# KiCad board WeatherStation.kicad_pcb (continued)
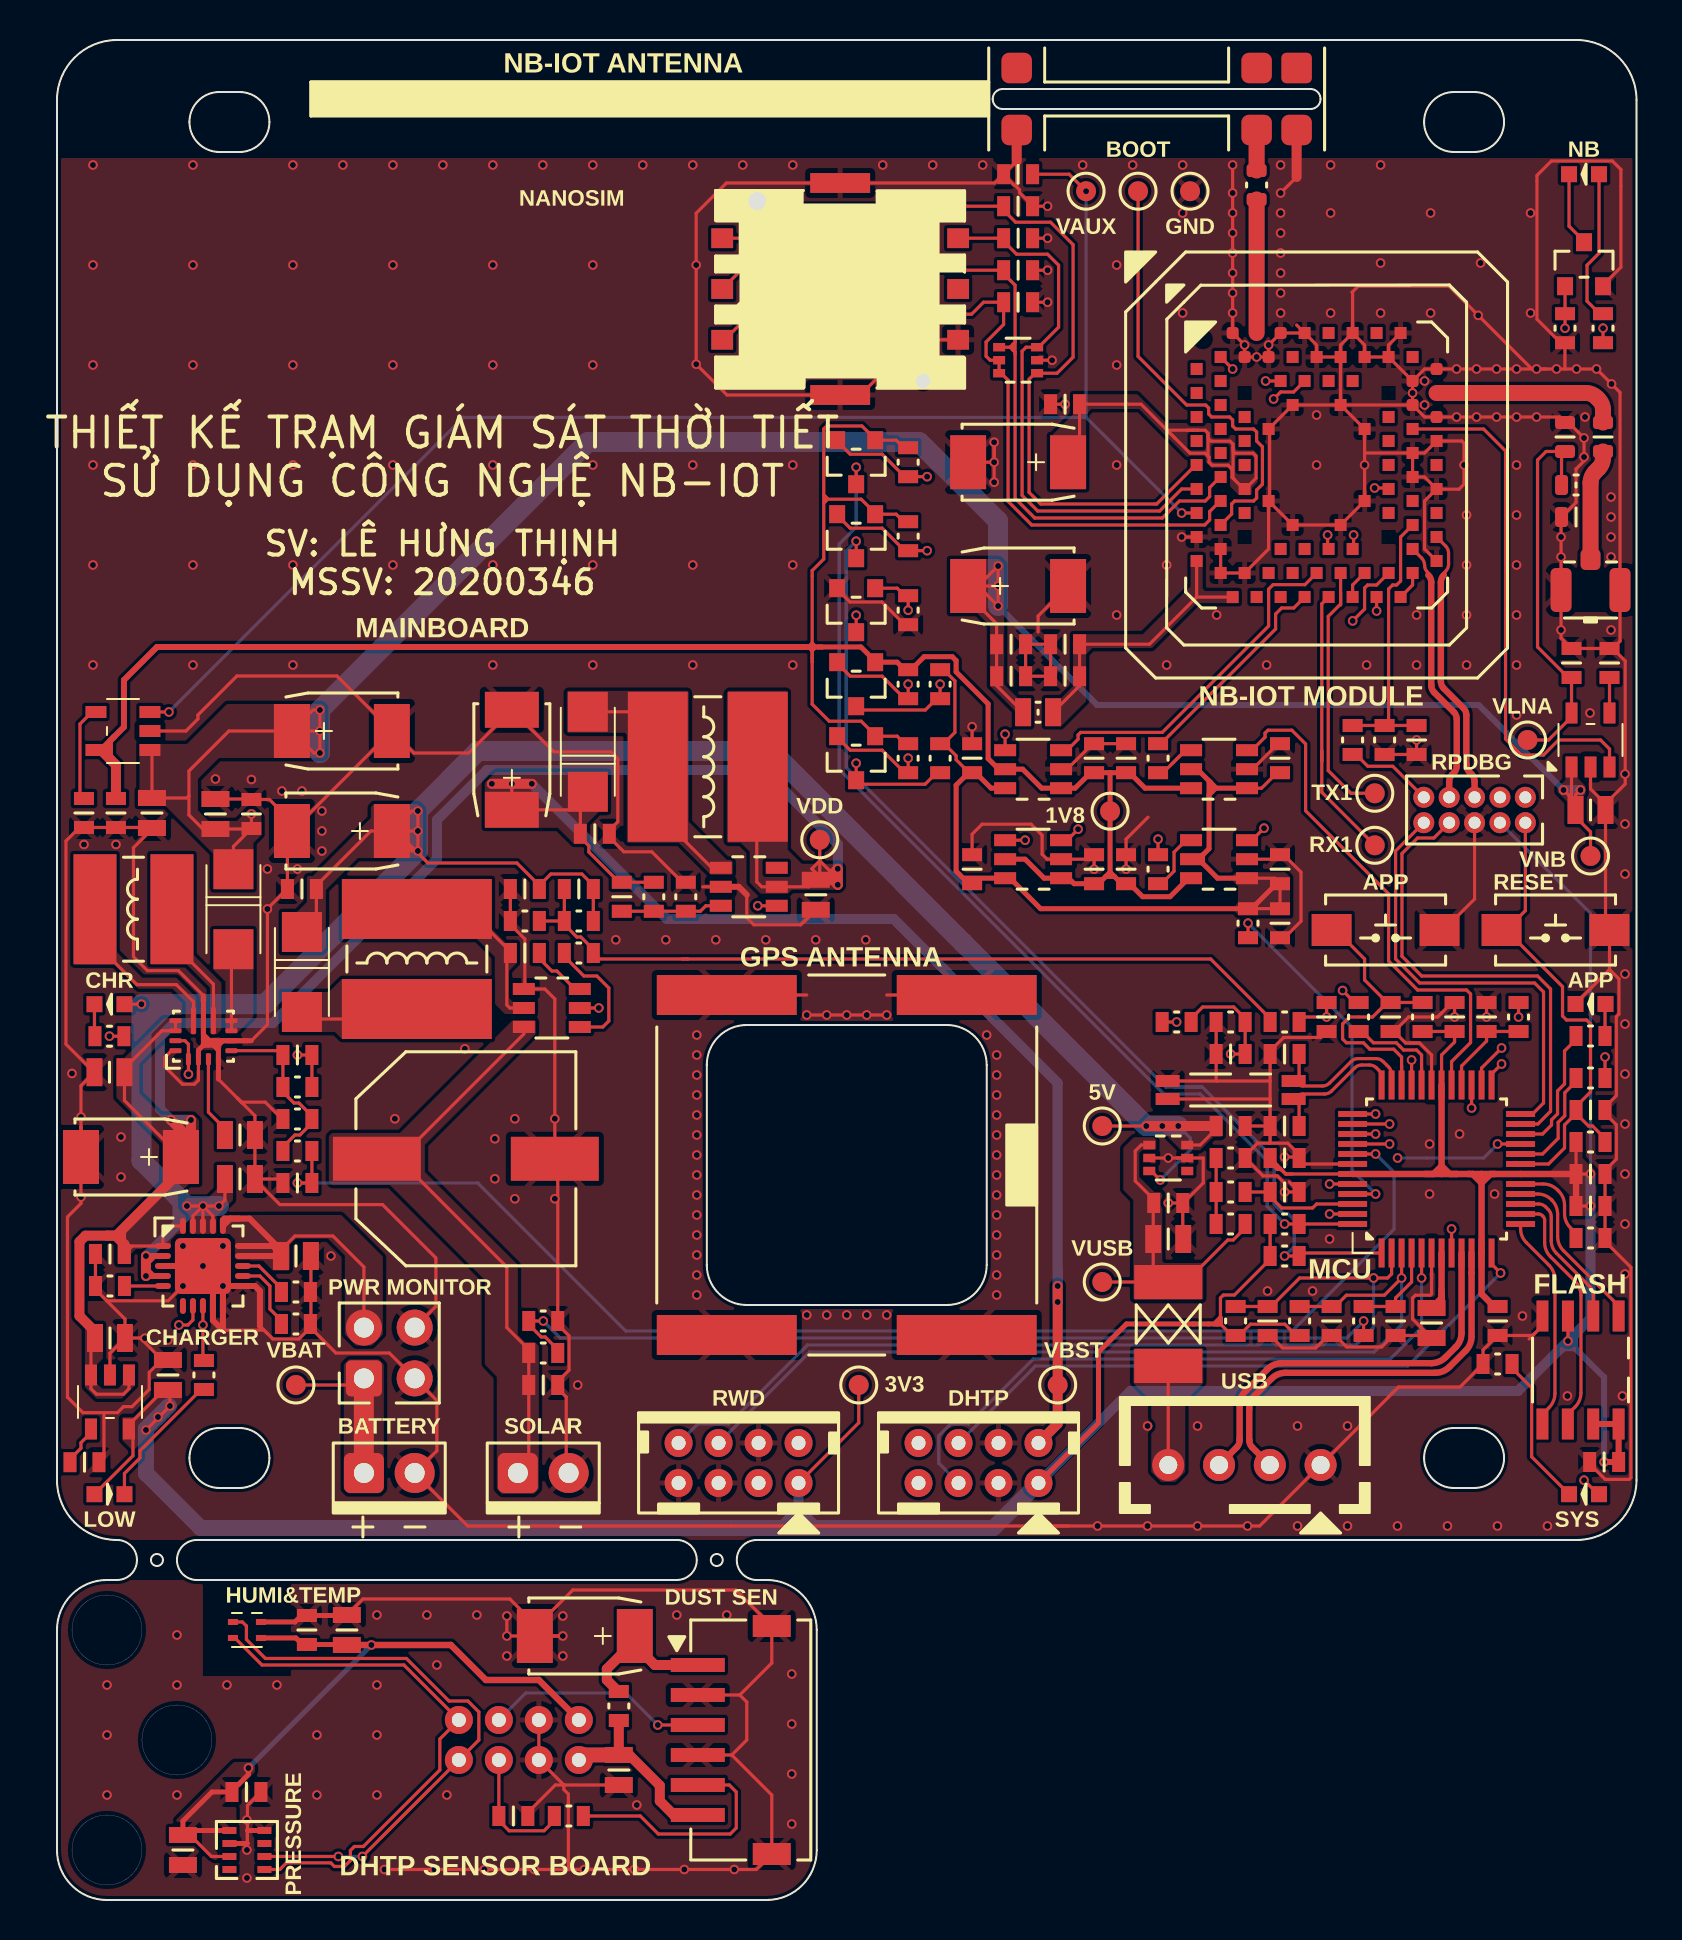
[diagram p0: board, top side]
## Library data of the parts (continued)
U7 = -: Description: IC MCU 32BIT 256KB FLASH 48TQFP; MNP: PIC32MM0256GPM048-I/PT; Price: 0; Stock Link: https://www.digikey.com/en/products/detail/microchip-technology/PIC32MM0256GPM048-I-PT/7354721; MFT: Microchip
U8 U9 U15 U16 = -: Description: IC TRANSLATOR BIDIR SOT23-6; Price: 0.219; Stock Link: https://www.thegioiic.com/sn74lvc1t45dbvr-ic-voltage-level-shifter-bus-transceiver-6-sot-23; MFT: TI; MNP: SN74LVC1T45DBVR
U11 = -: Description: CONN HEADER SMD R/A 6POS 1.5MM; Price: 0.035; Stock Link: https://www.thegioiic.com/dau-zh-1-5mm-6-chan-dan-smd-nam-ngang; MFT: JST; MNP: S6B-ZR-SM4A-TF
U12 = -: Description: INDUSTRIAL SENSOR HUMID/TEMP; Price: 2.1; Stock Link: https://www.digikey.com/en/products/detail/sensirion-ag/SHT40I-AD1B-R3/15792545; MFT: Sensirion; MNP: SHT40I-AD1B-R3
U13 = -: Description: IC BOOST REG MULTI CONFIG ADJ SOT-23-6; Price: 0.132; Stock Link: https://www.thegioiic.com/mt3608-ic-dieu-chinh-tang-ap-2a-sot-23-6; MFT: AEROSEMI; MNP: MT3608L
U14 = -: Description: SENSOR 17.4PSIG 24BIT 8VLGA; MFT: Infineon; MNP: DPS368XTSA1; Price: 3.18; Stock Link: https://www.digikey.com/en/products/detail/infineon-technologies/DPS368XTSA1/10244079?s=N4IgTCBcDaICIAUDKBmAbADhAXQL5A
U17 = -: Description: IC REG LINEAR 1.8V 300MA SOT-753; MFT: Toshiba; MNP: TCR3UF18A,LM(CT; Price: 0.4; Stock Link: https://www.digikey.com/en/products/detail/toshiba-semiconductor-and-storage/tcr3uf18a-lm-ct/13279610
X1 = -: Description: CRYSTAL 32.7680KHZ 9PF SMD; MFT: EPSON; MNP: MC-146 32.7680KA-AC0: ROHS; Price: 0.154; Stock Link: https://www.thegioiic.com/thach-anh-32-768khz-mc-146-crystal-7015-4-chan

## Footprints (pads in the part's own frame, mm; a bottom-side part is the same pattern mirrored in y, then rotated)
1575R-A
  rect 2x7 smd: 1(-8.5,-6) 2(8.5,-6) 3(8.5,6) 4(-8.5,6)
AH3G.303
  rrect 1.524x1.524 smd: 1(-7,3.1) 2(-5,3.1) 3(7,3.1) 4(-7,0) 5(-5,0) 6(7,0)
CAP0603
  rect 0.65x1 smd: 1(-0.725,0) 2(0.725,0)
CAP0603#2
  rrect 0.65x1 smd: 1(-0.725,0) 2(0.725,0)
CAP0805
  rect 0.8x1.4 smd: 1(-0.75,0) 2(0.75,0)
CAP2312-6032
  rect 1.8x2.7 smd: +(-2.5,0) -(2.5,0)
CAP_ELEC-10.3x10.3-DIA10
  rect 4.4x2.2 smd: +(-4.45,0) -(4.45,0)
DIL04_2.54_MTH
  rrect 1.8x1.8 hole 1: 1(-1.27,1.27)
  round 1.8 hole 1: 2(1.27,1.27) 3(-1.27,-1.27) 4(1.27,-1.27)
DIL10_1.27_MTH
  round 1.05 hole 0.6: 1(-2.54,-0.635) 2(-2.54,0.635) 3(-1.27,-0.635) 4(-1.27,0.635) 5(0,-0.635) 6(0,0.635) 7(1.27,-0.635) 8(1.27,0.635) 9(2.54,-0.635) 10(2.54,0.635)
DO-214AC
  rect 2x2 smd: A(-2,0) K(2,0)
DPS368
  rect 0.7x0.35 smd: 1(0.875,0.975) 2(0.875,0.325) 3(0.875,-0.325) 4(0.875,-0.975) 5(-0.875,-0.975) 6(-0.875,-0.325) 7(-0.875,0.325) 8(-0.875,0.975)
FUSE1812
  rect 1.7x3.4 smd: 1(-2.1,0) 2(2.1,0)
HDM-2x4x2.0-TH-RA
  round 1.4 hole 0.7: 1(3,1) 2(3,-1) 3(1,1) 4(1,-1) 5(-1,1) 6(-1,-1) 7(-3,1) 8(-3,-1)
HDM-2x4x2.0-TH-RA#2
  round 1.4 hole 0.7: 1(-3,1) 2(-3,-1) 3(-1,1) 4(-1,-1) 5(1,1) 6(1,-1) 7(3,1) 8(3,-1)
HDM-4x2.54-TH
  round 1.6 hole 0.9: 1(-3.81,0) 2(-1.27,0) 3(1.27,0) 4(3.81,0)
HDM-6x1.5-SMD-RA
  rect 0.7x2.7 smd: 1(-3.75,-1.65) 2(-2.25,-1.65) 3(-0.75,-1.65) 4(0.75,-1.65) 5(2.25,-1.65) 6(3.75,-1.65)
  rect 1.1x1.9 smd: 7(5.7,2.05) 8(-5.7,2.05)
IND0603
  rrect 0.65x1 smd: 1(-0.725,0) 2(0.725,0)
IND0805
  rect 0.8x1.4 smd: 1(-0.75,0) 2(0.75,0)
IND5852
  rect 5.5x2.15 smd: 1(0,-1.925) 2(0,1.925)
IND7870
  rect 7.5x3 smd: 1(0,2.5) 2(0,-2.5)
LED0603
  rect 0.8x0.8 smd: A(0.75,0) K(-0.75,0)
PAD02_2.54TH
  rrect 2x2 hole 1: 1(-1.27,0)
  round 2 hole 1: 2(1.27,0)
PowerVQFN15_TI
  rrect 0.6x0.25 smd: 1(-1.15,0.75) 2(-1.15,0.25) 3(-1.15,-0.25) 4(-1.15,-0.75)
  rrect 0.25x0.6 smd: 5(-0.725,-1.4) 6(-0.225,-1.4) 7(0.275,-1.4) 8(0.775,-1.4) 12(0.775,1.4) 13(0.275,1.4) 14(-0.225,1.4) 15(-0.725,1.4)
  rrect 1.35x0.25 smd: 9(0.775,-0.5) 11(0.775,0.5)
  rrect 1.7x0.25 smd: 10(0.6,0)
RES0603
  rect 0.65x1 smd: 1(-0.725,0) 2(0.725,0)
RES0603#2
  rrect 0.65x1 smd: 1(-0.725,0) 2(0.725,0)
SHT4x
  rect 0.5x0.3 smd: 1(-0.7,0.4) 2(-0.7,-0.4) 3(0.7,-0.4) 4(0.7,0.4)
SIM8051-6-0-14-01-A_GCT
  round 0.889 hole 0.889 unplated: (-4.4,-4.15)
  round 0.711 hole 0.711 unplated: (4.6,4.15)
  rect 0.991x1.092 smd: C1(2.54,-5.9) C2(0,-5.9) C3(-2.54,-5.9) C5(2.54,5.9) C6(0,5.9) C7(-2.54,5.9)
  rect 0.991x2.997 smd: S1(-5.3,0) S2(5.3,0)
SMD4-7015
  rect 1.2x0.6 smd: 1(-3.15,-0.45) 2(3.15,-0.45) 3(3.15,0.45) 4(-3.15,0.45)
SOIC8_3.9_MCHP
  rect 0.6x1.55 smd: 1(-1.905,-2.7) 2(-0.635,-2.7) 3(0.629,-2.696) 4(1.905,-2.7) 5(1.905,2.7) 6(0.635,2.7) 7(-0.635,2.7) 8(-1.905,2.7)
SOT23
  rect 0.8x0.9 smd: 1(-0.95,-1.1) 2(0.951,-1.102) 3(0,1.1)
SOT25_DIODES
  rect 0.6x1.05 smd: 1(-0.95,-1.35) 2(0,-1.35) 3(0.95,-1.35) 4(0.95,1.35) 5(-0.95,1.35)
SOT363
  rect 0.42x0.6 smd: 1(-0.65,-0.95) 2(0,-0.95) 3(0.65,-0.95) 4(0.65,0.95) 5(0,0.95) 6(-0.65,0.95)
SOT-23-6_MCHP
  rect 0.6x1.1 smd: 1(-0.95,-1.4) 2(0,-1.4) 3(0.95,-1.4) 4(0.95,1.4) 5(0,1.4) 6(-0.95,1.4)
SW_SMD2_6.0x3.5
  rect 2x1.6 smd: 1(-2.7,0) 2(2.7,0)
TP1MM
  round 1 smd: 1(0,0)
TQFP48-7x7_MCHP
  rect 1.45x0.3 smd: 1(-4.2,2.75) 2(-4.2,2.25) 3(-4.2,1.75) 4(-4.2,1.25) 5(-4.2,0.75) 6(-4.2,0.25) 7(-4.2,-0.25) 8(-4.2,-0.75) 9(-4.2,-1.25) 10(-4.2,-1.75) 11(-4.2,-2.25) 12(-4.2,-2.75) 25(4.2,-2.75) 26(4.2,-2.25) 27(4.2,-1.75) 28(4.2,-1.25) 29(4.2,-0.75) 30(4.2,-0.25) 31(4.2,0.25) 32(4.2,0.75) 33(4.2,1.25) 34(4.2,1.75) 35(4.2,2.25) 36(4.2,2.75)
  rect 0.3x1.45 smd: 13(-2.75,-4.2) 14(-2.25,-4.2) 15(-1.75,-4.2) 16(-1.25,-4.2) 17(-0.75,-4.2) 18(-0.25,-4.2) 19(0.25,-4.2) 20(0.75,-4.2) 21(1.25,-4.2) 22(1.75,-4.2) 23(2.25,-4.2) 24(2.75,-4.2) 37(2.75,4.2) 38(2.25,4.2) 39(1.75,4.2) 40(1.25,4.2) 41(0.75,4.2) 42(0.25,4.2) 43(-0.25,4.2) 44(-0.75,4.2) 45(-1.25,4.2) 46(-1.75,4.2) 47(-2.25,4.2) 48(-2.75,4.2)
U.FL
  rrect 1x1.05 smd: 1(0,-1.525)
  rrect 1.05x2.2 smd: 2(-1.475,0) 3(1.475,0)
VQFN20-4x4_MCHP
  rrect 0.8x0.3 smd: 1(-2,1) 2(-2,0.5) 3(-2,0) 4(-2,-0.5) 5(-2,-1) 11(2,-1) 12(2,-0.5) 13(2,0) 14(2,0.5) 15(2,1)
  rrect 0.3x0.8 smd: 6(-1,-2) 7(-0.5,-2) 8(0,-2) 9(0.5,-2) 10(1,-2) 16(1,2) 17(0.5,2) 18(0,2) 19(-0.5,2) 20(-1,2)
  rrect 2.8x2.8 smd: 21(0,0)
xE310
  rrect 0.6x0.6 smd: A3(-4.2,6.6) A5(-3,6.6) A7(-1.8,6.6) B4(-3.6,5.4) B6(-2.4,5.4) C19(6,4.8) D18(4.8,4.2) E19(6,3.6) F18(4.8,3) G19(6,2.4)
  rect 0.6x0.6 smd: A9(-0.6,6.6) A11(0.6,6.6) A13(1.8,6.6) A15(3,6.6) A17(4.2,6.6) AA3(-4.199,-6.604) AA5(-3,-6.6) AA7(-1.8,-6.6) AA9(-0.6,-6.6) AA11(0.6,-6.6) AA13(1.8,-6.6) AA15(3,-6.6) AA17(4.2,-6.6) B2(-4.8,5.4) B8(-1.2,5.4) B10(0,5.4) B12(1.2,5.4) B14(2.4,5.4) B16(3.6,5.4) B18(4.8,5.4) C1(-6,4.8) D2(-4.8,4.2) D7(-1.8,4.2) D9(-0.6,4.2) D11(0.6,4.2) D13(1.8,4.2) E1(-6,3.6) F2(-4.8,3) F8(-1.2,3) F12(1.2,3) G1(-6,2.4) G4(-3.6,2.4) G16(3.6,2.4) H2(-4.8,1.8) H6(-2.4,1.8) H14(2.4,1.8) H18(4.8,1.8) J1(-6,1.2) J4(-3.6,1.2) J16(3.6,1.2) J19(6,1.2) K2(-4.8,0.6) K18(4.8,0.6) L1(-6,0) L4(-3.6,0) L16(3.6,0) L19(6,0) M2(-4.8,-0.6) M18(4.8,-0.6) N1(-6,-1.2) N4(-3.6,-1.2) N16(3.6,-1.2) N19(6,-1.2) P2(-4.8,-1.8) P6(-2.4,-1.8) P14(2.4,-1.8) P18(4.8,-1.8) R1(-6,-2.4) R4(-3.6,-2.4) R16(3.6,-2.4) R19(6,-2.4) T2(-4.8,-3) T8(-1.2,-3) T12(1.2,-3) T18(4.8,-3) U1(-6,-3.6) U19(6,-3.6) V2(-4.8,-4.2) V7(-1.8,-4.2) V9(-0.6,-4.2) V11(0.6,-4.2) V13(1.8,-4.2) V18(4.8,-4.2) W1(-6,-4.8) W19(6,-4.8) Y2(-4.8,-5.4) Y4(-3.6,-5.4) Y6(-2.4,-5.4) Y8(-1.2,-5.4) Y10(0,-5.4) Y12(1.2,-5.4) Y14(2.4,-5.4) Y16(3.6,-5.4) Y18(4.8,-5.4)

## Nets
+1V8: C46.1 C47.1 C76.1 C77.1 C83.2 Q3.1 Q4.1 Q5.1 Q6.1 R43.2 R44.2 R47.2 R48.2 TP8.1 U8.6 U9.1 U9.5 U15.1 U15.5 U16.6 U17.5
+3.3V: C24.1 C27.1 C31.2 C33.1 C34.1 C36.1 C37.1 D3.A J4.4 J7.1 J8.7 R22.1 R23.2 R24.2 R25.1 R37.1 R38.1 TP4.1 U5.5 U6.3 U6.7 U6.8 U7.11 U7.18 U7.30 U7.43
+5V: C11.1 C12.1 C14.1 C17.1 C20.+ C58.1 D2.K D4.A R11.1 TP3.1 U3.3 U3.6 U4.2 U4.4 U4.17 U4.18 U4.19
/MCU/V5V_SEN: C15.1 R13.1 U7.33
/MCU/VBAT_SEN: C23.1 R19.2 R20.1 U7.27
/MCU/VBUS_SEN: C9.1 R6.1 U7.46
GND: ANT1.1 ANT1.3 ANT2.2 ANT2.3 BAT1.2 BT1.2 BT2.2 C1.2 C2.2 C3.2 C4.2 C5.- C6.2 C7.2 C9.2 C12.2 C13.2 C14.2 C15.2 C16.2 C17.2 C18.2 C19.- C20.- C21.2 C22.2 C23.2 C24.2 C25.2 C26.- C27.2 C28.2 C29.2 C30.2 C31.1 C32.2 C33.2 C34.2 C35.2 C36.2 C37.2 C38.2 C39.1 C40.2 C41.2 C42.2 C43.2 C44.1 C45.2 C46.2 C47.2 C48.2 C49.- C50.1 C51.2 C52.2 C54.2 C55.1 C56.2 C57.- C58.2 C59.2 C60.1 C61.2 C62.1 C64.2 C70.2 C71.2 C72.- C73.2 C76.2 C77.2 C78.2 C79.2 C80.1 C81.2 C82.2 C83.1 C84.2 D5.K D6.2 J1.1 J2.2 J3.3 J3.4 J4.6 J5.C5 J5.S1 J5.S2 J7.3 J7.4 J8.1 J8.3 J8.6 MD1.A3 MD1.A7 MD1.A9 MD1.A13 MD1.A17 MD1.B4 MD1.B6 MD1.B10 MD1.B12 MD1.B14 MD1.B16 MD1.C19 MD1.D18 MD1.F8 MD1.F12 MD1.F18 MD1.G19 MD1.H6 MD1.H14 MD1.J19 MD1.K18 MD1.M18 MD1.N19 MD1.P6 MD1.P14 MD1.T8 MD1.T12 MD1.U1 MD1.V2 MD1.W19 MD1.Y2 MD1.Y4 MD2.1 MD2.2 MD2.3 MD2.4 Q1.2 Q2.2 R3.2 R4.2 R9.2 R12.2 R16.2 R17.2 R18.2 R20.2 R21.1 R30.2 R35.2 R41.1 R42.1 R50.2 TP6.1 U1.1 U2.2 U2.4 U2.6 U2.10 U2.15 U3.2 U3.5 U4.3 U4.9 U4.10 U4.11 U4.21 U5.2 U6.4 U7.6 U7.31 U7.42 U8.2 U9.2 U10.2 U13.2 U15.2 U16.2 U17.2 X1.2 X1.3
GND1: C63.2 C65.- C66.2 C67.2 C69.2 C74.2 C75.2 J6.3 J6.4 U11.2 U11.4 U11.7 U11.8 U12.4 U14.1 U14.7
VBAT: BAT1.1 J3.1 TP5.1
VDD: C2.1 C22.1 C25.1 C26.+ C64.1 L4.1 TP7.1 U2.12 U2.13 U4.1 U4.20 U5.1 U5.3 U13.5
VDD1: C63.1 J6.2 R33.1 U11.6
/MCU/DBG_RXD: J4.3 U7.25
/MCU/DBG_TXD: J4.1 U7.26
/MCU/DUST_EN: U7.40 U13.4
/MCU/DUST_SEN: J7.6 U7.12
/MCU/LED_APP: R26.1 U7.22
/MCU/LED_SYS: D9.A U7.8
/MCU/NB_ARXD: U7.29 U16.3
/MCU/NB_ATXD: R40.2 U7.32
/MCU/NB_DTR: Q4.3 R46.1 U7.39
/MCU/NB_ONOFF: Q2.1 R42.2 U7.37
/MCU/NB_RING: Q3.3 R45.1 U7.38
/MCU/NB_RXD: U7.44 U8.3
/MCU/NB_TXD: R28.2 U7.20
/MCU/NB_USB_N: J4.7 MD1.V18
/MCU/NB_USB_P: J4.5 MD1.U19
/MCU/NB_VAUX_SEN: C84.1 R49.1 U7.28
/MCU/NB_VBUS: J4.9 R29.1
/MCU/PGC: J4.10 U7.24
/MCU/PGD: J4.8 U7.23
/MCU/SCL: J7.7 J8.8 Q5.3 R23.1 U7.48
/MCU/SCLK: U6.6 U7.14
/MCU/SDA: J7.8 J8.5 Q6.3 R24.1 U7.1
/MCU/SDI: U6.2 U7.15
/MCU/SDO: U6.5 U7.13
/MCU/SOSCI: C28.1 U7.35 X1.1
/MCU/SOSCO: C29.1 U7.36 X1.4
/MCU/USB_N: J1.3 U7.9
/MCU/USB_P: J1.2 U7.10
/MCU/VIO_EN: R27.1 U7.45
/MCU/VNB_EN: U2.1 U2.14 U7.21
/MCU/VNB_SEN: C13.1 R10.1 U7.41
/MCU/VSOLAR_SEN: C4.1 R1.1 U7.4
/MCU/~{BT_APP}: BT2.1 C35.1 R25.2 U7.34
/MCU/~{DUST_IREN}: J7.5 U7.5
/MCU/~{FLASH_CS}: U6.1 U7.16
/MCU/~{MCLR}: BT1.1 C32.1 J4.2 R22.2 U7.19
/MCU/~{RNF_PULSE}: C73.1 J8.2 R38.2 U7.2
/MCU/~{VBAT_LOW}: R14.2 U4.8 U7.47
/MCU/~{WSP_PULSE}: C71.1 J8.4 R37.2 U7.3
/NB MODULE/ARXD: MD1.AA9 R39.1
/NB MODULE/ATXD: MD1.Y10 U15.3
/NB MODULE/DTR: MD1.V11 Q4.2 R44.1
/NB MODULE/GPS_LNA_ENA: MD1.H18 U10.3
/NB MODULE/PWRMON: C51.1 MD1.R1 R49.2 TP14.1 U17.3
/NB MODULE/RING: MD1.V13 Q3.2 R43.1
/NB MODULE/RXD0: MD1.AA15 U9.3
/NB MODULE/SCL_1V8: MD1.D7 Q5.2 R48.1
/NB MODULE/SDA_1V8: MD1.D9 Q6.2 R47.1
/NB MODULE/SIM_CLK: C40.1 D6.1 J5.C3 MD1.L1
/NB MODULE/SIM_DAT: C38.1 D6.3 J5.C7 MD1.N1
/NB MODULE/SIM_RST: C43.1 D6.4 J5.C2 MD1.M2
/NB MODULE/SIM_VCC: C44.2 D6.5 D6.6 J5.C1 MD1.P2
/NB MODULE/TXD0: MD1.Y16 R31.1
/SENSORS/SCL1: J6.7 U12.2 U14.4
/SENSORS/SDA1: J6.8 U12.1 U14.3
/SENSORS/VOUT: C69.1 J6.6 R36.1
/SENSORS/~{LED_EN}: J6.5 U11.3
VIO: C39.2 C41.1 C42.1 C78.1 C79.1 R27.2 R45.2 R46.2 U8.1 U8.5 U9.6 U15.6 U16.1 U16.5
VLNA: C59.1 C60.2 L3.2 TP9.1 U10.5
VNB: C10.1 C16.1 C18.1 C19.+ C54.1 C55.2 C57.+ C62.2 C80.2 D1.K FT1.2 R8.1 R32.1 TP2.1 U10.1 U17.1
VSEN1: C66.1 C67.1 C74.1 C75.1 J6.1 U12.3 U14.6 U14.8
Net-(U7-AVSS/VSS): R21.2 U7.17
Net-(ANT1-SIG): ANT1.2 Z1.2
Net-(ANT2-SIG): ANT2.1 C53.2 C56.1 L3.1
Net-(C11-Pad2): C11.2 R7.1 R11.2 R12.1 R13.2
Net-(C21-Pad1): C21.1 J3.2 R19.1 U4.14 U4.15 U4.16
Net-(C68-Pad1): C68.1 C70.1 C72.+ D8.K J7.2 R34.1 TP10.1
Net-(D1-PadA): D1.A U2.7 U2.8
Net-(D2-PadA): D2.A L2.2
Net-(D3-PadK): D3.K R14.1
Net-(D4-PadK): D4.K R15.2
Net-(D5-PadA): D5.A R26.2
Net-(D7-PadA): D7.A R32.2
Net-(D9-PadK): D9.K R50.1
Net-(F1-Pad1): F1.1 J1.4
Net-(MD1-CELL_ANT): MD1.A5 Z1.1
Net-(MD1-CTANK): C48.1 C49.+ MD1.N4
Net-(MD1-CTS0): MD1.AA17 MD1.Y18
Net-(MD1-CTS1): MD1.AA13 MD1.Y14
Net-(MD1-FORCE_USB_BOOT): MD1.T2 TP13.1
Net-(MD1-GNSS_ANT): C53.1 MD1.E19
Net-(MD1-RXD1): MD1.AA11 TP12.1
Net-(MD1-SLED): MD1.B2 Q1.1 R41.2
Net-(MD1-TXD1): MD1.Y12 TP11.1
Net-(MD1-USB_VBUS): C45.1 MD1.T18 R29.2 R30.1
Net-(MD1-VBATT): C50.2 C52.1 FT1.1 MD1.AA3 MD1.W1
Net-(MD1-~{ONOFF}/~{WAKE}): MD1.N16 Q2.3
Net-(Q1-D): D7.K Q1.3
Net-(R4-Pad1): R4.1 R5.1 R6.2
Net-(U1-BS): C8.2 U1.6
Net-(U1-EN): R1.2 R2.1 R3.1 U1.5
Net-(U1-FB): R7.2 U1.4
Net-(U1-IN): C1.1 C5.+ J2.1 R2.2 U1.3
Net-(U1-SW): C8.1 L2.1 U1.2
Net-(U2-FB): C10.2 R8.2 R9.1 R10.2 U2.5
Net-(U2-L1): L1.2 U2.11
Net-(U2-L2): L1.1 U2.9
Net-(U2-VAUX): C3.1 U2.3
Net-(U3-VIN): C6.1 C7.1 F1.2 R5.2 TP1.1 U3.1
Net-(U4-PROG1): R16.1 U4.13
Net-(U4-PROG3): R17.1 U4.12
Net-(U4-STAT2): R15.1 U4.7
Net-(U4-THERM): R18.1 U4.5
Net-(U5-NC/BP): C81.1 U5.4
Net-(U7-VCAP): C30.1 U7.7
Net-(U8-B): R31.2 U8.4
Net-(U9-B): R28.1 U9.4
Net-(U10-NC/BP): C61.1 U10.4
Net-(U11-VLED): C65.+ R33.2 U11.1
Net-(U11-VOUT): R36.2 U11.5
Net-(U13-FB): C68.2 R34.2 R35.1 U13.3
Net-(U13-SW): D8.A L4.2 U13.1
Net-(U15-B): R40.1 U15.4
Net-(U16-B): R39.2 U16.4
Net-(U17-NC/BP): C82.1 U17.4

Pads without a net: ANT1 4 5 6; J5 C6; MD1 A11 A15 AA5 AA7 B8 B18 C1 D2 D11 D13 E1 F2 G1 G4 G16 H2 J1 J4 J16 K2 L4 L16 L19 P18 R4 R16 R19 V7 V9 Y6 Y8; U3 4; U4 6; U13 6; U14 2 5

## Via types
v1: diameter 0.48, hole 0.3, Top to Bottom, 430 vias

## Routing (per net, layer and track width the routed paths; a pad name or vN(x,y) marks a point on that pad's centre or on a via; arc(x,y) is an arc through that point)
+1V8: length 117
  Top w0.16: 37.77,61.89 37.77,62.85 ; 37.77,61.89 37.77,62.45 ; 37.77,61.89 37.77,59.79 38.62,58.94 40.22,58.94 40.92,58.24 Q4.1 42.02,58.19 42.39,57.82 R44.2 ; 37.93,62.67 37.93,62.69 37.77,62.85 ; 38.35,70.25 38.35,69.85 ; 38.35,70.25 38.35,73.55 38.5,73.7 40.26,73.7 40.92,73.04 Q5.1 41.97,72.99 42.34,72.62 R48.2 ; 38.35,70.25 38.45,70.15 ; 38.35,69.85 38.45,69.95 ; 38.35,69.85 38.35,67.05 37.77,66.47 37.77,62.85 ; 38.56,70.04 38.45,70.15 ; 38.56,70.04 40.22,70.04 40.92,69.34 Q6.1 41.97,69.29 42.34,68.92 R47.2 ; 38.56,70.04 38.54,70.04 38.45,69.95 ; 38.45,70.15 38.45,69.95 ; 37.77,62.85 37.57,62.65 37.77,62.45 ; 37.77,62.45 37.97,62.65 38.05,62.65
  Top w0.25: 52.67,56.37 C76.1 51.69,56.37 50.92,55.59 U15.1 49.25,55.59 48.3,56.54 U15.5 47.1,56.54 46.57,57.07 46.57,59.81 44.97,61.41 44.97,61.97 44.78,62.17 43.37,62.17 42.72,61.52 R43.2 42.39,61.52 42.02,61.89 Q3.1 ; 52.67,56.37 C77.1 53.64,56.37 54.42,55.59 U16.6 ; 52.67,56.37 TP8.1 52.67,51.39 ; 52.88,51.18 52.67,51.39 ; 52.88,51.18 52.46,51.18 ; 52.88,51.18 53.24,50.82 C46.1 53.64,50.82 54.29,50.17 55.67,50.17 56.59,51.09 U8.6 ; 52.67,51.39 52.46,51.18 ; 52.46,51.18 52.09,50.82 C47.1 50.87,50.82 50.59,51.09 U9.1 49.37,51.09 48.42,52.04 U9.5 ; 40.92,61.94 40.21,62.65 38.25,62.65 ; 38.25,62.65 38.05,62.65 ; 38.25,62.65 37.62,62.65
  Top w0.3: 37.35,62.65 5,62.65 3.35,61 3.35,58.65 2.85,58.15 ; 37.35,62.65 37.62,62.65 ; 37.35,62.65 37.57,62.65 ; 2.35,57.65 2.6,57.65 2.65,57.7 ; 2.35,57.65 2.2,57.5 U17.5 ; 2.35,57.65 2.85,58.15 ; 2.85,58.15 2.65,57.95 2.65,57.7 ; 2.65,57.7 2.65,57.05
  Top w0.5: U17.5 2.2,57.5 2.95,56.75 C83.2
+3.3V: length 223.2
  Top w0.16: C34.1 60.67,37.07 61.24,36.51 ; C34.1 60.67,36.88 61.03,36.53 ; C34.1 61.03,36.75 61.03,36.53 ; C34.1 61.47,36.3 61.78,36.3 ; 61.24,36.51 61.44,36.3 61.78,36.3 ; 61.24,36.51 61.21,36.53 61.03,36.53 ; U6.3 v1(75.57,27.95) ; R24.2 R23.2 ; R24.2 60.44,32.2 ; R24.2 60.67,32.04 58.89,30.25 58.34,30.25 58.19,30.1 58.19,29.1 ; v1(4.45,23.5) 5.4,24.45 ; 5.4,24.45 5.1,24.15 v1(5.05,24.15) ; 5.4,24.45 v1(5.65,24.7) 5.65,25.4 C24.1 5.33,25.5 3.6,23.77 U5.5 3.8,23.35 3.8,22.22 D3.A ; 57.89,28.8 57.59,28.8 ; 56.8,28.8 56.59,28.8 ; 58.19,28.8 58.76,28.23 R38.1 59.12,28.23 59.69,28.79 61.41,28.79 61.97,28.23 R37.1 ; R22.1 C33.1 v1(76.7,36.3) ; 61.78,36.3 U7.43 ; R25.1 C36.1 69.9,42.9 69.25,42.25 U7.30 ; TP4.1 40.1,23.86 J8.7 ; v1(76.7,34.7) C31.2 ; 58.19,28.95 58.19,29
  Top w0.25: 57.89,28.8 58.19,29.1 58.19,28.8 58.04,28.8 ; J7.1 52.09,23.85 52.09,27.4 53.49,28.8 56.89,28.8 ; 58.04,28.8 56.8,28.8 ; 58.04,28.8 58.19,28.95
  Top w0.3: v1(77.38,21.9) C27.1 U6.8 U6.7
  Top w0.32: U7.30 69.25,36.7 ; 69.25,36.7 69.25,36.3 ; 69.25,36.7 68.85,36.3 68.45,36.3 ; 69.25,36.7 69.65,36.3 70,36.3 ; C37.1 71.87,29.68 71.25,30.3 U7.11 71.25,35.85 ; 71.25,36.3 71.9,36.3 ; 71.25,36.3 70.6,36.3 ; 71.25,36.3 71.25,35.85 ; 71.9,36.3 71.7,36.3 71.25,35.85 ; 71.9,36.3 U7.18 C33.1 C31.2 ; 71.25,35.85 70.8,36.3 70.6,36.3 ; 69.25,36.3 68.45,36.3 ; 69.25,36.3 70,36.3 ; 70.6,36.3 70,36.3 ; 68.45,36.3 U7.43
  In1.Cu w0.5: v1(76.7,36.3) v1(76.7,34.7)
  In1.Cu w0.8: v1(5.65,24.7) v1(4.45,23.5)
  In2.Cu w0.16: v1(5.65,24.7) 5.6,24.7 ; 4.45,23.55 v1(4.45,23.5) ; 5.42,24.53 v1(5.05,24.15)
  In2.Cu w0.5: v1(76.7,36.3) v1(76.7,34.7)
  In2.Cu w0.8: 4.45,23.55 5.6,24.7
  Bottom w0.16: 5.6,24.7 v1(5.65,24.7) ; v1(76.7,36.3) 76.7,49.34 J4.4 ; 4.45,23.55 v1(4.45,23.5) ; 37.09,18.66 37.03,18.6
  Bottom w0.3: 76.03,27.49 v1(75.57,27.95) ; 76.03,27.49 77.38,26.14 v1(77.38,21.9) ; 76.03,27.49 75.93,27.59 ; 75.93,27.59 75.93,28.31 ; 75.93,27.59 75.21,27.59 75.18,27.56
  Bottom w0.5: v1(76.7,36.3) v1(76.7,34.7) 76.7,29.08 73.08,25.45 53.69,25.45 J7.1 ; 34.84,18.6 34.49,18.6 ; 36.04,18.6 36.14,18.6 37.09,19.55 ; 37.09,19.55 J8.7 ; 37.09,19.55 37.09,18.66 ; 37.09,19.55 37.89,18.75 37.89,18.6 ; 39.34,18.6 39.9,18.6
  Bottom w0.8: J7.1 46.84,18.6 7.18,18.6 4.45,21.33 4.45,23.55 v1(5.05,24.15) 5.6,24.7 ; 39.9,18.6 37.89,18.6
+5V: length 151.6
  Top w0.16: 54.63,36.45 54.73,36.45 v1(55.18,36) ; R11.1 C11.1 26.82,50.73 26.25,51.3 24.7,51.3 24.12,50.73 C58.1 24.12,50.73 23,51.85 18.55,51.85 16.95,53.45 C20.+ ; C20.+ 17.75,52.45 v1(18.05,52.45) v1(18.05,54.45) 17.75,54.45 C20.+ ; C20.+ 15.7,53.45 12.97,50.73 C17.1 12.97,48.78 12.25,48.05 ; C20.+ v1(18.05,53.45) ; v1(54.48,38.7) TP3.1 ; v1(7.3,34.7) 7.8,34.2 U4.17 ; v1(7.3,34.7) U4.18 ; v1(7.3,34.7) 6.8,34.2 U4.19 ; v1(6.5,34.7) v1(8.1,34.7) 8.4,35 C14.1 ; U3.6 57.18,37.75 57.97,38.55 C12.1 ; D4.A v1(4.22,44.79)
  Top w0.3: U4.2 4.85,32.2 ; 4.85,32.2 4.45,31.8 ; 4.85,32.2 v1(4.45,32.2) ; v1(4.45,31.2) U4.4 4.8,31.2 4.45,31.55
  Top w0.5: v1(4.45,32.2) v1(4.45,31.2) ; C12.1 v1(56.08,38.7) v1(55.28,38.7) v1(54.48,38.7)
  In1.Cu w0.5: v1(8.1,34.7) v1(6.5,34.7) ; v1(4.45,31.2) v1(4.45,32.2) ; v1(18.05,54.45) v1(18.05,52.45)
  In1.Cu w1: v1(56.08,38.7) v1(54.48,38.7)
  In2.Cu w0.5: v1(18.05,54.45) v1(18.05,52.45) ; v1(8.1,34.7) v1(6.5,34.7) ; v1(4.45,31.2) v1(4.45,32.2)
  In2.Cu w1: v1(56.08,38.7) v1(54.48,38.7)
  Bottom w0.16: v1(56.08,38.7) 56.68,38.1 56.68,37.5 v1(55.18,36)
  Bottom w0.5: v1(4.45,31.2) v1(4.45,32.2) 5.95,33.7 ; 5.95,33.7 6.02,33.78 6.02,35.18 ; 5.95,33.7 6.95,34.7
  Bottom w1: 7.7,34.7 v1(7.3,34.7) 6.95,34.7 ; 7.7,34.7 v1(8.1,34.7) ; 7.7,34.7 v1(6.5,34.7) 4.22,36.98 4.22,43.5 ; 5.5,44.79 v1(4.22,44.79) 4.22,43.5 ; 5.5,44.79 4.22,43.52 4.22,43.5 ; 5.5,44.79 10.39,44.79 v1(18.05,52.45) v1(18.05,54.45) 21.05,57.45 35.73,57.45 v1(54.48,38.7) v1(56.08,38.7)
/MCU/V5V_SEN: length 8.7
  Top w0.16: U7.33 v1(67.75,42) ; C15.1 v1(63.5,44.15) 62.37,44.15 R13.1 62.12,43.79
  In2.Cu w0.16: v1(63.5,44.15) 65.6,44.15 v1(67.75,42)
/MCU/VBAT_SEN: length 20.2
  Top w0.16: U7.27 v1(70.75,39.6) ; v1(58.7,42.3) C23.1 R20.1 59.42,44.08 58.85,44.65 57.3,44.65 56.72,44.08 R19.2
  In2.Cu w0.16: v1(58.7,42.3) 60.85,40.15 70.2,40.15 v1(70.75,39.6)
/MCU/VBUS_SEN: length 5.9
  Top w0.16: R6.1 C9.1 60.67,35.18 61.25,34.6 62.8,34.6 63,34.8 U7.46
GND: length 735.3
  Top w0.16: C58.2 R12.2 22.67,48.78 23.4,48.05 23.4,45.6 U1.1 24.4,45.55 24.9,45.05 v1(24.9,39.06) 24.9,37.06 ; 60.65,37.84 61.56,37.84 62.12,37.28 C34.2 ; 60.65,37.84 60.67,37.87 C29.2 ; 60.65,37.84 60.04,37.84 59.42,37.23 R4.2 60.32,36.21 61.03,36.21 61.4,35.84 v1(61.4,35.4) C9.2 62.12,35.42 61.63,35.91 ; 73.9,28.33 73.8,28.23 C37.2 71.32,27.5 R50.2 70.17,25.65 67.1,25.65 J1.1 60.15,18.7 v1(59.54,18.7) v1(57.04,18.7) v1(54.54,18.7) v1(52.04,18.7) 49.79,18.7 ; 73.9,28.33 74.29,28.72 U6.4 ; 73.9,28.33 73.63,28.05 ; 75.42,76.55 v1(76,76.55) v1(77,76.55) 78.17,75.38 ANT2.2 78.17,62.94 77.81,62.58 ; 75.42,76.55 v1(75,76.55) 74.47,76.55 ; 75.42,76.55 75.42,77.86 R41.1 ; R41.1 75.19,77.87 74.02,79.04 74.02,86.23 74.74,86.95 77.79,86.95 78.22,86.53 78.22,81.64 77.33,80.75 Q1.2 ; R41.1 75.42,77.84 ; U16.2 59.79,56.54 61.07,57.82 C79.2 ; 58,40.95 57.97,40.98 57.97,42.8 ; 58,40.95 60.67,40.95 ; 58,40.95 X1.2 ; v1(37.5,44.25) v1(38.5,44.25) v1(39.5,44.25) v1(40.5,44.25) v1(41.5,44.25) ; 77.81,62.58 C61.2 ; 77.81,62.58 C61.2 ; 77.81,62.58 78.43,61.95 78.43,55.8 77.45,54.82 C62.1 ; MD1.A9 63,77.75 MD1.B10 MD1.B12 ; MD1.A9 62,78.75 ; MD1.A9 MD1.A7 v1(60.6,77.75) MD1.B6 v1(60,77.15) MD1.B4 v1(59.4,77.75) MD1.A3 v1(58.8,79.35) v1(58.8,80.35) v1(58.8,81.35) v1(58.8,82.35) v1(58.8,83.35) v1(58.8,84.35) v1(58.8,85.35) v1(58.8,86.75) ; v1(53.47,51.54) C46.2 53.47,53.04 54.57,54.14 ; 24.9,37.06 25.04,36.92 R3.2 ; 24.9,37.06 24.75,37.21 ; v1(49.54,84.69) C40.2 48.79,84.72 48.14,85.37 48.14,85.51 ; C34.2 62.07,37.15 v1(61.4,37.15) ; C34.2 62.42,36.8 U7.42 ; 68.75,31.45 68.75,31.05 ; 68.75,31.45 U7.6 ; 68.75,31.45 68.75,30.3 68.69,30.24 67.94,30.24 67.8,30.1 67.8,29.05 C30.2 68.62,28.23 C4.2 66.82,28.23 66.25,27.65 64.5,27.65 63.92,28.23 C71.2 63.57,28.23 62.95,27.6 61.3,27.6 60.67,28.23 C73.2 ; MD1.A13 64.8,80.37 64.77,80.39 65.07,80.69 69.62,80.69 v1(71.08,79.23) 73.76,76.55 v1(74,76.55) 74.47,76.55 ; MD1.A13 64.2,77.75 MD1.B12 ; MD1.A13 65.4,77.75 MD1.B14 MD1.B16 ; 48.14,85.51 48,85.65 ANT1.3 ; 48.14,85.51 48.11,85.54 ; 10.54,28.31 10.15,28.7 ; 10.54,28.31 10.8,28.05 12.1,28.05 12.67,28.63 ; 10.54,28.31 10.36,28.49 8.26,28.49 8.3,28.53 ; v1(55.58,34.85) C6.2 ; C6.2 56.33,34.85 57.33,35.85 57.33,37.1 56.03,37.1 ; C6.2 56.28,34.85 ; C6.2 56.3,33.08 C7.2 ; 65.4,72.35 MD1.H14 MD1.F12 ; 65.4,72.35 v1(65.4,71.75) 65.4,70.25 ; 65.4,72.35 MD1.K18 ; U8.2 60.94,52.04 C41.2 61.34,52.27 62.22,51.39 62.22,48.94 61.39,48.12 C39.1 ; MD1.F18 v1(67.8,75.35) MD1.D18 ; MD1.F18 68.4,74.15 MD1.G19 v1(70,74.15) v1(71,74.15) v1(72,74.15) v1(73,74.15) v1(74,74.15) 75.15,74.15 C59.2 75.6,73.88 v1(76.37,73.1) v1(76.37,72.15) 76.37,71.95 75.97,71.55 75.97,69.88 75.5,69.4 75.25,69.4 75.22,69.38 v1(75.22,68.15) v1(75.22,67.15) ANT2.3 v1(75.22,63.5) 75.22,63.1 C60.1 C61.2 ; MD1.F18 MD1.F12 ; 31.67,50.66 R35.2 ; R35.2 31.45,50.91 ; R35.2 31.28,50.89 29.75,52.41 28.35,52.41 27.62,53.14 C70.2 27.62,53.49 28.05,53.91 28.05,57.06 27.7,57.41 24.85,57.41 C72.- 20.59,57.35 17.85,57.35 C19.- ; 56.03,37.1 v1(55.58,37.1) U3.2 ; 56.03,37.1 U3.5 ; 25.6,21.36 J2.2 25.47,21.47 25.47,25.15 25.04,25.58 C1.2 25.04,25.93 25.61,26.49 25.61,28.21 25.04,28.78 R3.2 ; C21.2 12.7,28.83 R17.2 12.67,28.63 ; U15.2 50.52,56.54 51.79,57.82 C76.2 C77.2 ; 0.52,36.48 C26.- 1.2,38.65 ; MD1.B12 MD1.F12 ; 65.4,70.25 MD1.P14 MD1.T12 MD1.T8 MD1.P6 ; 65.4,70.25 65.4,70.45 ; MD1.U1 v1(56.25,68.15) ; 49.79,18.7 v1(49.54,18.7) 33.71,18.7 ; 49.79,18.7 50.59,18.7 ; MD1.P6 60.6,67.55 MD1.Y4 MD1.Y2 MD1.V2 ; MD1.P6 60.65,70 60.65,73.5 MD1.H6 MD1.F8 MD1.F12 ; J5.C5 42.94,78.01 v1(41.74,76.81) 40.18,75.25 J5.S2 33.51,75.25 v1(31.97,76.79) v1(31.97,81.75) 31.97,84.34 33.48,85.85 J5.S1 46.9,85.85 48,86.95 ; 77.65,46.53 78.12,46.05 78.12,44.3 77.99,44.17 77.99,40.22 77.42,39.65 C32.2 77.42,39.33 77.99,38.76 77.99,37.04 77.42,36.48 C33.2 R21.1 77.42,32.93 78.72,31.64 78.72,21.12 78.63,21.03 77.43,21.03 76.65,21.81 C27.2 ; 77.65,46.53 BT1.2 77.45,48.7 C62.1 ; 77.65,46.53 75.95,44.83 D5.K ; MD1.B16 66.6,77.75 MD1.A17 ; MD1.B16 MD1.D18 ; 7.57,42.74 7.42,42.74 ; v1(69.9,44.15) C36.2 69.77,44.88 69.25,44.35 ; C22.2 3.4,29.05 2.49,29.96 ; C22.2 4.16,28.1 5.26,27 C24.2 5.23,27 4.61,26.38 4.61,25.53 3.75,24.67 3.32,24.67 3.02,24.37 1.3,24.37 0.52,25.14 0.52,34.15 1.2,34.83 v1(1.2,35.15) 1.2,38.65 ; C22.2 3.4,28.09 2.65,27.34 U5.2 ; 12.67,28.63 13.95,27.35 16.62,27.35 J3.3 19,24.97 19,22.46 17.89,21.35 20.54,18.7 33.71,18.7 ; U13.2 32.3,50.66 ; R9.2 11.26,39.05 10.41,39.89 9.22,39.89 9.02,40.1 ; BT2.2 69.35,48.5 70.9,50.05 J4.6 ; 60.67,40.95 60.67,40.05 ; 60.67,40.95 C28.2 60.67,42.45 61.35,43.13 63.2,43.13 C15.2 ; MD1.N19 68.4,71.15 MD1.M18 MD1.K18 ; MD1.N19 69.01,70.54 70.12,70.54 70.42,70.84 70.37,70.89 v1(70.37,71.75) 70.37,72.84 70.26,72.95 MD1.J19 68.4,72.35 MD1.K18 ; MD1.N19 68.4,69.95 68.4,67.55 MD1.W19 ; C12.2 C29.2 ; C29.2 60.67,40.05 ; v1(46.87,70.89) v1(46.87,72.89) v1(46.87,71.89) C49.- ; 25.04,29.13 R3.2 ; U2.2 7.07,40.99 6.87,40.79 6.27,40.79 5.37,41.69 5.37,42.12 5.72,42.47 5.92,42.47 ; J3.4 18.95,29.68 18.95,32.1 16.28,34.77 11.15,34.77 9.9,36.02 C14.2 ; 74.47,76.55 v1(73,76.55) v1(72,76.55) v1(71,76.55) v1(70,76.55) MD1.C19 68.4,76.55 MD1.D18 ; 69.25,44.35 69.1,44.2 ; 69.25,44.35 69.05,44.15 67.6,44.15 66.87,43.43 ; 66.87,43.43 C35.2 66.87,43.43 ; 66.87,43.43 67.45,42.85 68,42.85 ; C20.- C19.- ; C20.- 11.75,53.9 10.62,55.03 C16.2 9.7,55.05 C18.2 ; C20.- 11.52,53.23 C17.2 11.51,50.55 10.52,49.57 v1(10.52,49.55) 10.52,43.77 9.72,42.97 ; C19.- 14,61.2 9,61.2 7.05,59.25 7.05,59.05 6.45,58.45 U17.2 ; 2.49,29.96 5.56,29.96 v1(6.3,30.7) v1(7.3,31.7) ; 2.49,29.96 1.92,30.53 R18.2 C25.2 ; R30.2 C45.2 v1(68,58) ; 2.35,24.37 2.35,22.14 C81.2 ; v1(49.54,81.49) C43.2 ; 76.7,56.6 76.7,55.55 77.45,54.8 C62.1 ; 62,86.15 v1(61.2,85.35) ; 11.3,36.05 C14.2 ; C14.2 C3.2 9.9,39.22 9.02,40.1 ; X1.3 60.67,40.05 ; Q2.2 39.02,65.54 39.66,64.9 41.26,64.9 42.39,63.77 R42.1 ; 1.2,38.65 v1(1.2,39.15) 1.2,40.72 C2.2 1.85,41.39 0.45,42.79 0.45,52.95 1.12,53.63 C82.2 4.72,53.63 C80.1 4.75,53.54 3.82,52.62 3.82,47.17 4.52,46.47 6.07,46.47 7.32,45.22 ; 68,42.85 68.15,42.85 68.75,42.25 U7.31 ; 68,42.85 67.65,42.85 ; 41.5,45.25 MD2.2 ; 76.65,21.7 C27.2 ; C27.2 76.65,22.08 ; C84.2 v1(71.5,44.15) ; v1(8.3,30.7) v1(7.3,31.7) ; v1(7.3,31.7) 7.8,31.2 ; C48.2 v1(50.42,74.79) ; 57.97,42.8 C23.2 ; 57.97,42.8 R20.2 ; C51.2 47.34,86.27 47.88,85.73 ; v1(45.77,58.67) C78.2 ; C42.2 45.77,53.29 46.27,53.79 48.72,53.79 49.27,53.24 49.27,52.29 49.52,52.04 U9.2 51.64,52.04 C47.2 v1(51.87,51.54) ; 33.71,18.7 32.4,18.7 ; 37.5,45.25 MD2.3 ; C64.2 37.2,48.76 34.85,48.76 34.5,49.11 34.5,50.26 ; 9.26,39.85 9.02,40.1 ; 9.02,40.1 8.07,41.04 ; D6.2 v1(49.77,76.99) ; C57.- 49.07,64.2 49.07,63.4 ; v1(49.54,79.89) C44.1 ; v1(49.54,83.09) C38.2 ; C50.1 C52.2 C54.2 C55.1 C50.1
  Top w0.25: 8.07,42.74 7.82,42.74 ; 8.07,42.74 8.07,42.47 ; 8.07,42.74 8.3,42.97 U2.6 9.52,42.97 ; 7.82,42.74 7.32,42.74 ; 7.82,42.74 8.07,42.49 8.07,42.47 ; 9.52,42.97 7.92,42.97 ; 9.52,42.97 9.72,42.97 ; 7.92,42.97 7.62,42.97 7.32,43.27 U2.10 ; 7.92,42.97 7.45,42.97 7.32,42.84 ; 7.32,42.74 7.07,42.49 U2.2 ; 7.32,42.74 7.32,42.84 ; 8.07,42.47 U2.4 8.07,41.04 ; 7.42,42.74 7.32,42.84 ; 7.32,42.84 U2.10 ; U2.10 7.32,45.22
  Top w0.3: U13.2 34.1,50.66 34.5,50.26 ; U4.3 v1(7.3,31.7) ; 7.8,31.2 U4.9 7.8,28.98 8.26,28.51 8.26,28.49 ; 8.3,28.53 U4.10 v1(8.3,30.7) U4.11 9.9,30.7 10.15,30.45 10.15,28.7
  Top w0.5: 48,86.95 ANT1.3 ; ANT1.1 62,86.15
  Top w1: J7.3 47.09,20.77
  In1.Cu w0.16: 49.54,80.29 49.54,77.22 ; 49.54,80.29 v1(49.54,84.69) ; 49.54,80.29 v1(49.54,79.89) ; 49.54,77.22 50.42,76.34 v1(50.42,74.79) 48.52,72.89 v1(46.87,72.89) ; 49.54,77.22 v1(49.77,76.99) ; 34.1,21.86 J8.3 J8.1 ; v1(71.5,44.15) v1(69.9,44.15) ; J4.6 70.1,53.07 68.08,53.07 67.5,53.64 67.5,55.37 68,55.87 68,57.37 ; v1(51.87,51.54) v1(53.47,51.54) ; 68,57.37 v1(68,58) ; 68,57.37 68,56.07
  vias: v1(0.75,41.33) v1(1.35,52.78) v1(1.8,86.75) v1(1.8,81.75) v1(1.8,76.75) v1(1.8,71.75) v1(1.8,66.75) v1(1.8,61.75) v1(2.95,52.78) v1(3.2,38.15) v1(3.2,36.15) v1(4.4,28.09) v1(5.55,28) v1(6.3,32.7) v1(6.8,86.75) v1(6.8,81.75) v1(6.8,76.75) v1(6.8,71.75) v1(6.8,66.75) v1(6.8,61.75) v1(7.92,56.05) v1(8.3,32.7) v1(9.72,56.03) v1(10.52,51.55) v1(11.25,55.45) v1(11.8,86.75) v1(11.8,81.75) v1(11.8,76.75) v1(11.8,71.75) v1(11.8,66.75) v1(11.8,61.75) v1(12.02,51.55) v1(12.25,55.45) v1(13.25,54.45) v1(13.25,53.45) v1(13.25,52.45) v1(13.7,32.2) v1(14.3,86.75) v1(16.8,86.75) v1(16.8,81.75) v1(16.8,76.75) v1(16.8,71.75) v1(16.8,66.75) v1(16.9,39.06) v1(19.3,86.75) v1(20.4,42.56) v1(21.8,86.75) v1(21.8,81.75) v1(21.8,76.75) v1(21.8,71.75) v1(21.8,66.75) v1(21.8,61.75) v1(21.9,38.06) v1(21.9,36.06) v1(22.9,39.06) v1(22.9,35.06) v1(24.3,86.75) v1(24.9,35.06) v1(26.04,25.75) v1(26.8,86.75) v1(26.8,81.75) v1(26.8,76.75) v1(26.8,71.75) v1(26.8,66.75) v1(26.8,61.75) v1(27.95,48.01) v1(29.3,86.75) v1(30.45,48.01) v1(31.8,86.75) v1(31.8,71.75) v1(31.8,66.75) v1(31.8,61.75) v1(32,43.25) v1(32,42.25) v1(32,41.25) v1(32,40.25) v1(32,39.25) v1(32,38.25) v1(32,37.25) v1(32,36.25) v1(32,35.25) v1(32,34.25) v1(32,33.25) v1(32,32.25) v1(32,31.25) v1(32,30.25) v1(32.95,48.01) v1(34.3,86.75) v1(35.45,48.01) v1(36.8,86.75) v1(36.8,76.75) v1(36.8,71.75) v1(36.8,66.75) v1(36.8,61.75) v1(37.5,29.25) v1(37.95,48.01) v1(38.5,29.25) v1(39.5,29.25) v1(40.45,48.01) v1(40.5,29.25) v1(41.3,86.75) v1(41.5,29.25) v1(43.8,86.75) v1(46.3,86.75) v1(46.5,43.25) v1(47,42.25) v1(47,41.25) v1(47,40.25) v1(47,39.25) v1(47,38.25) v1(47,37.25) v1(47,36.25) v1(47,35.25) v1(47,34.25) v1(47,33.25) v1(47,32.25) v1(47,31.25) v1(47,30.25) v1(51.3,86.75) v1(53,81.75) v1(53,76.75) v1(53,71.75) v1(53,64.25) v1(53.8,86.75) v1(54.54,23.7) v1(55.5,66.75) v1(55.5,61.75) v1(56.3,86.75) v1(56.3,84.35) v1(56.3,79.35) v1(57.04,23.7) v1(58,64.25) v1(60.5,61.75) v1(60.54,30.45) v1(61.2,86.75) v1(61.2,84.35) v1(61.2,83.35) v1(61.2,82.35) v1(61.2,81.35) v1(61.2,80.35) v1(61.2,79.35) v1(62.04,23.7) v1(62.04,18.7) v1(62.79,30.45) v1(63,74.25) v1(63,71.75) v1(63.65,33.05) v1(63.7,86.75) v1(63.7,84.35) v1(63.7,79.35) v1(64.54,23.7) v1(64.54,18.7) v1(65.5,61.75) v1(66.2,86.75) v1(66.2,81.85) v1(66.2,79.35) v1(67.04,18.7) v1(68,64.25) v1(68,61.75) v1(68.4,75.95) v1(68.4,74.75) v1(68.65,37.8) v1(68.65,35.3) v1(68.7,84.35) v1(68.7,79.35) v1(69.54,18.7) v1(70.15,38.3) v1(70.5,69.25) v1(70.5,66.75) v1(70.5,64.25) v1(70.5,61.75) v1(71.2,81.85) v1(71.9,35.3) v1(72.04,18.7) v1(73,71.75) v1(73,69.25) v1(73,66.75) v1(73,64.25) v1(73,61.75) v1(73,59.25) v1(73.29,29.2) v1(73.7,84.35) v1(73.7,79.35) v1(74.54,18.7) v1(75.54,25.2) v1(76.42,74.15) v1(76.67,59.35) v1(77.75,75.8) v1(77.72,70.15) v1(77.72,69.15) v1(77.72,68.15) v1(77.72,67.15) v1(77.72,63.5) v1(78.29,25.2) v1(78.42,56.3) v1(78.42,53.8) v1(78.42,51.3) v1(78.42,46.3) v1(78.42,43.8) v1(78.42,41.3) v1(78.42,38.8) v1(78.42,36.3) v1(78.42,33.8) v1(78.42,31.3)
GND1: length 103
  Top w0.16: 28.6,1.53 v1(26.38,1.53) 25.58,1.53 25.58,5.3 25.35,5.53 25.35,5.75 ; 28.6,1.53 v1(28.88,1.53) v1(31.38,1.53) v1(33.88,1.53) 34.97,1.53 U11.7 35.75,5.25 33.75,7.25 ; 28.6,1.53 v1(23.88,1.53) v1(21.38,1.53) v1(18.88,1.53) v1(16.38,1.53) ; 9.53,2.88 9.53,4.73 C74.2 ; 9.53,2.88 9.53,3.48 ; 9.53,2.88 9.53,2.83 ; 25.35,5.75 25.38,5.75 ; 25.35,5.75 J6.4 J6.3 ; 25.38,5.75 24.93,5.75 23.55,4.38 C69.2 ; 25.38,5.75 C63.2 ; 34.15,10.25 34.5,9.9 34.5,8 33.75,7.25 ; 34.15,10.25 U11.2 ; 34.15,10.25 35.75,11.85 U11.8 33.95,15.5 25.8,15.5 23.9,13.6 C65.- ; v1(22.5,14.2) v1(22.5,13.2) v1(25.3,13.2) C65.- ; 24.1,13 C65.- ; C65.- 23.9,13.8 22.65,15.05 15.3,15.05 C67.2 14.47,14.23 ; 33.75,7.25 U11.4 ; U12.4 10.3,13.9 ; 10.37,3.48 U14.1
  Top w0.25: U14.7 9.53,2.83 ; 14.47,14.23 C66.2 12.22,14.23 11.9,13.9 10.3,13.9 ; 9.53,3.48 10.37,3.48
  In1.Cu w0.16: 24.1,10.6 25.3,11.8 v1(25.3,12.2) v1(25.3,14.2) ; 24.1,10.6 v1(22.5,12.2) v1(22.5,14.2) ; 24.1,10.6 J6.3
  vias: v1(2.5,10.75) v1(2.5,8.25) v1(2.5,5.25) v1(6,13.25) v1(6,10.75) v1(6,5.25) v1(8.5,10.75) v1(9.5,4) v1(9.5,2.5) v1(9.5,1.1) v1(11,10.75) v1(13,8.25) v1(13,5.25) v1(16,14.25) v1(16,10.75) v1(16,8.25) v1(16,5.25) v1(18.5,14.25) v1(19,11.75) v1(19.5,5.25) v1(21,14.25) v1(29,4.75) v1(31,14.25) v1(33.5,14.25) v1(36.75,11.3) v1(36.75,8.8) v1(36.75,6.3) v1(36.75,3.8)
